# Altium PCB graviton.PcbDoc (part 8 of 15)
Units mm, origin at the board's own origin, x right, y up, seen from the top; angles counter-clockwise.
Board outline 200 x 200 mm, 10 copper layers (TOP, POLYGON1, S1, POLYGON2, POLYGON3, POLYGON4, POLYGON5, S2, POLYGON6, BOT), stack 1.751 mm thick; 1317 components, 712 nets, 5121 pads, 3994 vias.
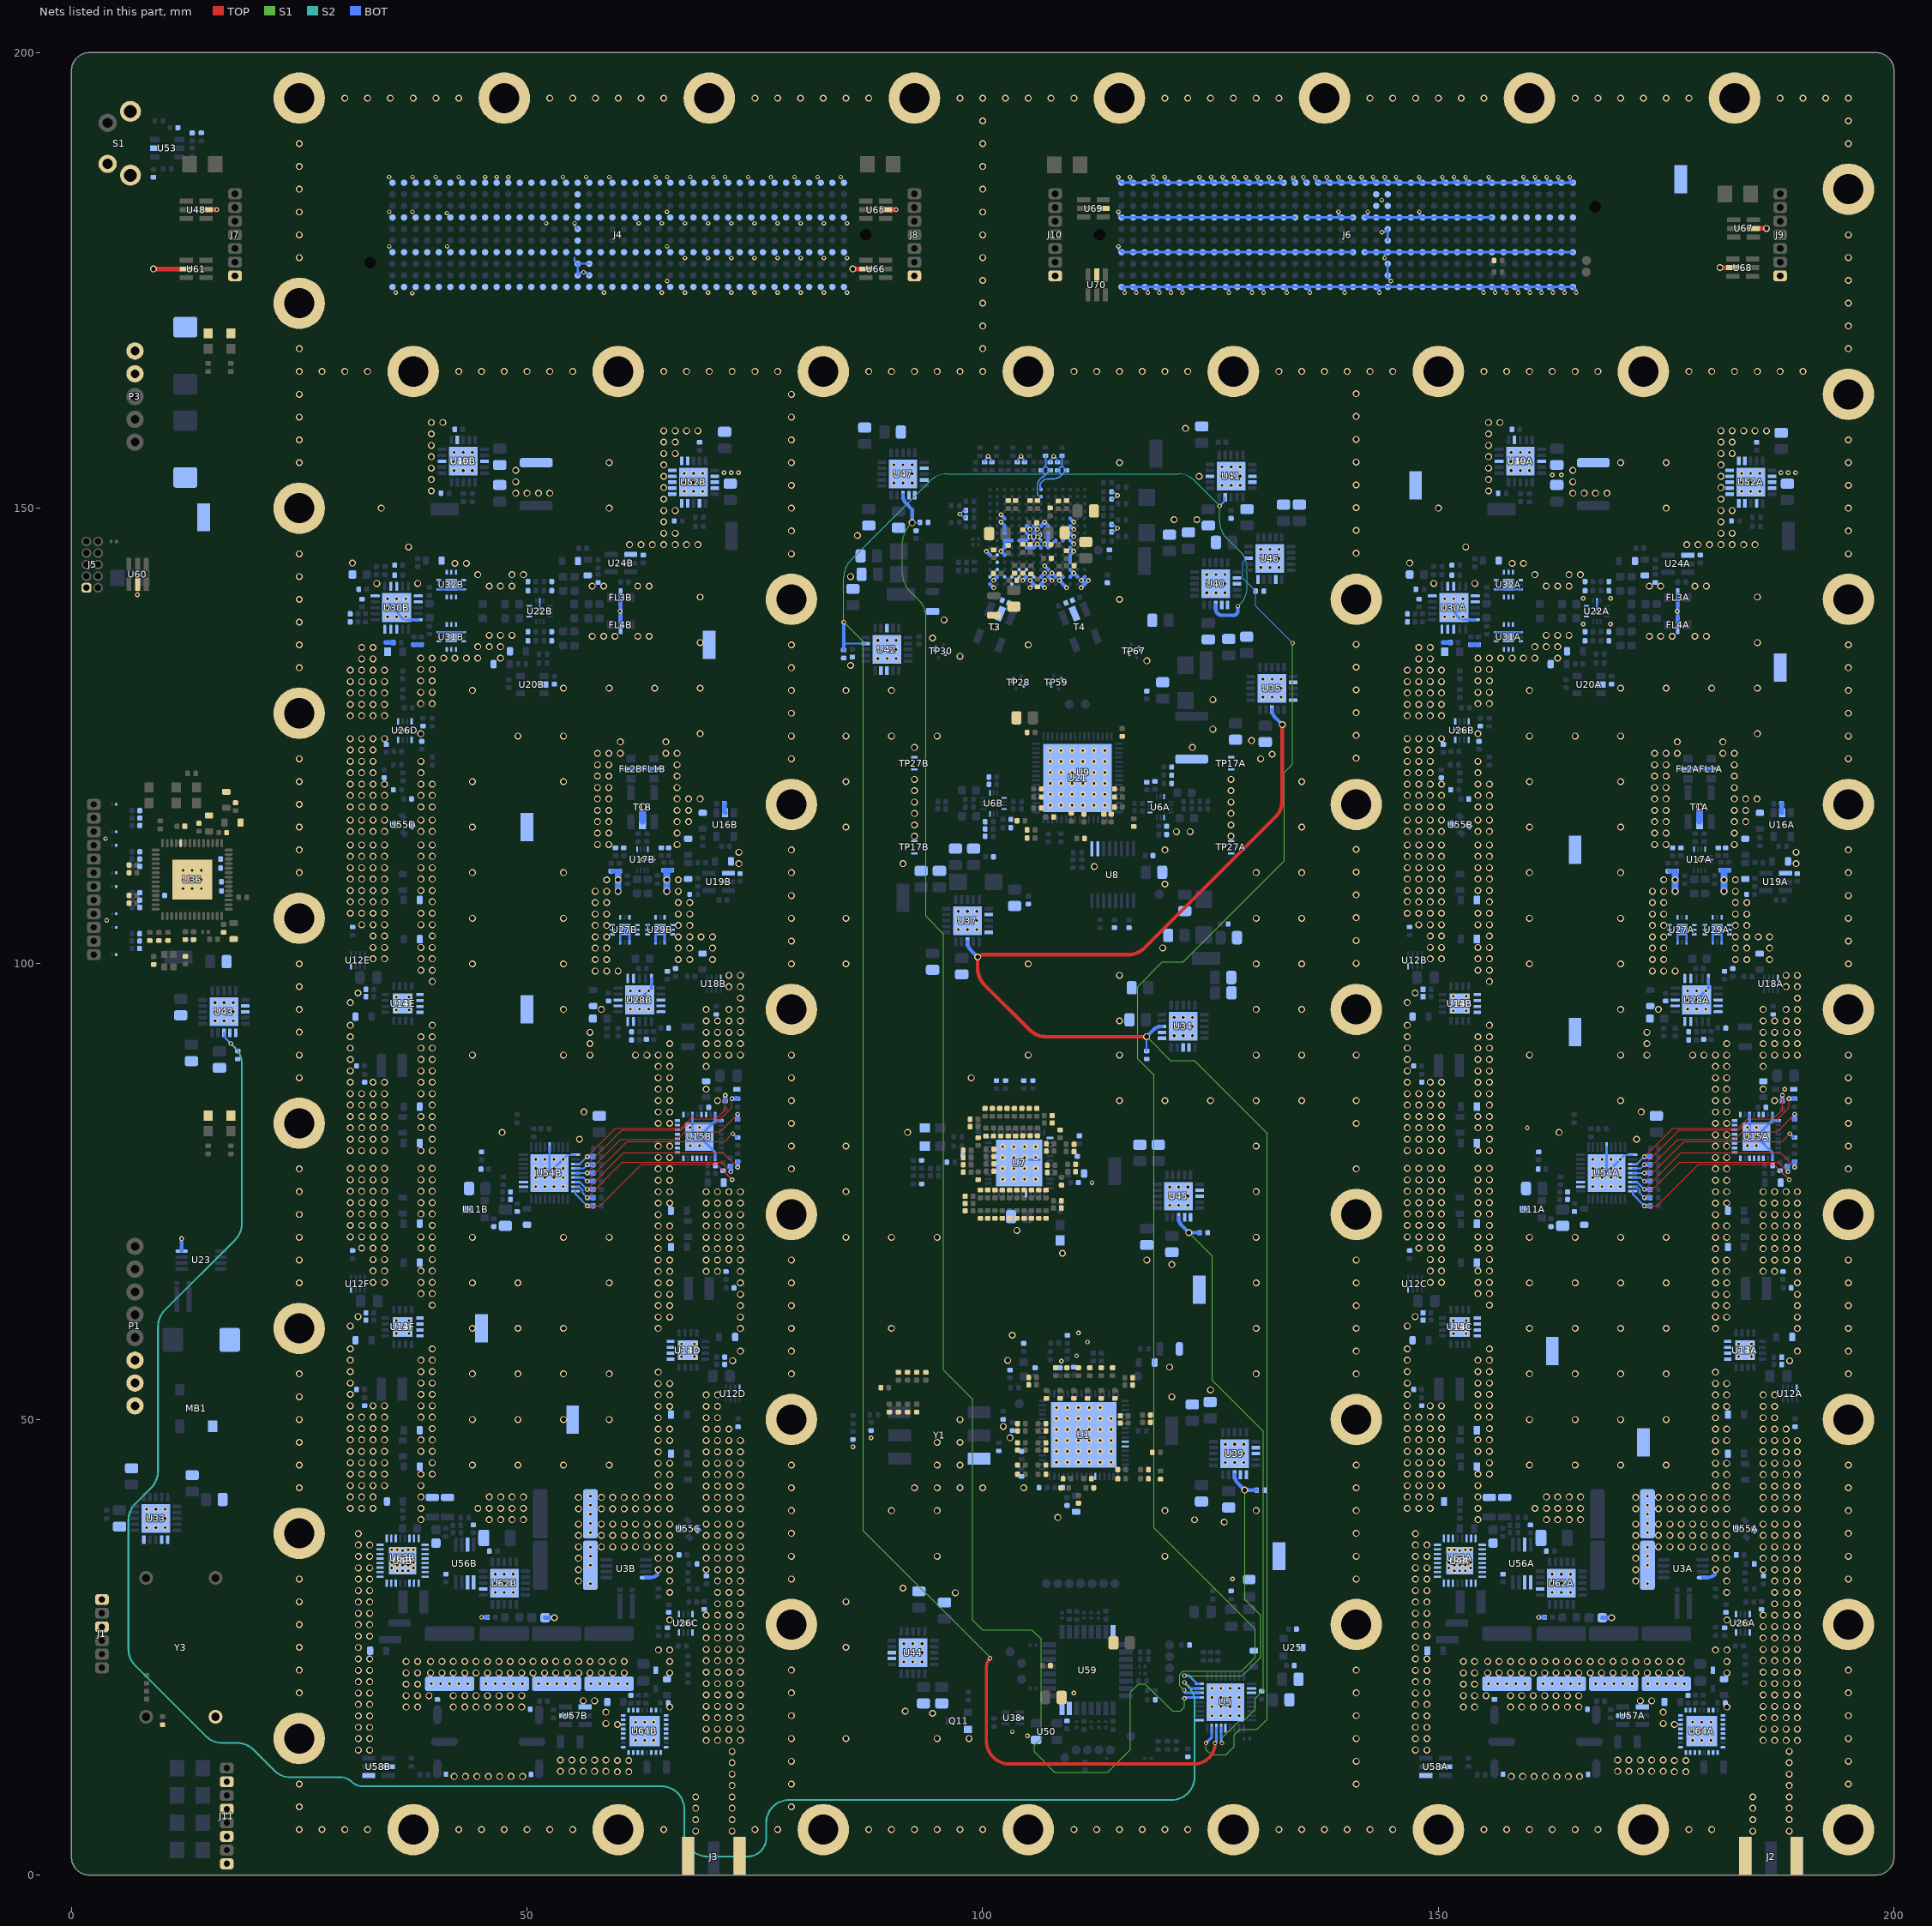
[diagram p16: the nets of this part, all layers, seen from the top]

## Via types
v1: diameter 0.75, hole 0.5, TOP to BOT, tented both sides, 2608 vias
v2: diameter 0.508, hole 0.254, TOP to BOT, tented both sides, 628 vias
v3: diameter 0.483, hole 0.254, TOP to BOT, tented both sides, 455 vias
v4: diameter 0.5, hole 0.3, TOP to BOT, tented both sides, 169 vias
v5: diameter 0.635, hole 0.254, TOP to BOT, tented both sides, 86 vias
v6: diameter 0.5, hole 0.254, TOP to BOT, tented both sides, 48 vias

## Nets (pads, with @x,y where several pads share a name; then routed paths per layer and width w, separated by ;. In a path a pad name is that pad's centre, name@x,y a point inside that pad or via, vN(x,y) a via of type N, cw(c..) or ccw(c..) an arc to the next point about the centre after c; other vN are vias at no path point) (continued)
DSA.D0A: R75A.2 R183A.2 U54A.27 | length 22.7
  TOP w0.098: v2(172.6,73.45) 174,73.45 178.568,78.018 186.787,78.018 v2(188.5,76.305)
  BOT w0.1: R75A.2@187.5,77.305 v2(188.5,76.305)
  BOT w0.2: U54A.27@171.32,75.05 171.32,74.73 v2(172.6,73.45)
  BOT w0.508: v2(172.6,73.45) R183A.2@173.255,73.45
DSA.D0B: R75B.2 R183B.2 U54B.27 | length 22.7
  TOP w0.098: v2(56.6,73.45) 58,73.45 62.568,78.018 70.787,78.018 v2(72.5,76.305)
  BOT w0.1: R75B.2@71.5,77.305 v2(72.5,76.305)
  BOT w0.2: U54B.27@55.32,75.05 55.32,74.73 v2(56.6,73.45)
  BOT w0.508: v2(56.6,73.45) R183B.2@57.255,73.45
DSA.D1A: R74A.2 R182A.2 U54A.26 | length 21
  TOP w0.098: v2(172.6,74.35) 176.467,78.217 187.313,78.217 v2(188.35,77.18)
  BOT w0.2: U54A.26@171.32,75.55 171.748,75.55 172.1,75.198 172.1,74.85 v2(172.6,74.35)
  BOT w0.508: v2(172.6,74.35) R182A.2@173.255,74.35
  BOT w0.51: v2(188.35,77.18) R74A.2@188.35,77.805
DSA.D1B: R74B.2 R182B.2 U54B.26 | length 21
  TOP w0.098: v2(56.6,74.35) 60.467,78.217 71.313,78.217 v2(72.35,77.18)
  BOT w0.2: U54B.26@55.32,75.55 55.748,75.55 56.1,75.198 56.1,74.85 v2(56.6,74.35)
  BOT w0.508: v2(56.6,74.35) R182B.2@57.255,74.35
  BOT w0.51: v2(72.35,77.18) R74B.2@72.35,77.805
DSA.D2A: R73A.2 R181A.2 U54A.25 | length 21.7
  TOP w0.098: v2(172.6,75.25) 176.618,79.268 187.512,79.268 v2(189.1,77.68)
  BOT w0.2: U54A.25@171.32,76.05 171.8,76.05 v2(172.6,75.25)
  BOT w0.508: v2(172.6,75.25) R181A.2@173.255,75.25
  BOT w0.51: v2(189.1,77.68) R73A.2@189.1,78.305
DSA.D2B: R73B.2 R181B.2 U54B.25 | length 21.7
  TOP w0.098: v2(56.6,75.25) 60.618,79.268 71.512,79.268 v2(73.1,77.68)
  BOT w0.2: U54B.25@55.32,76.05 55.8,76.05 v2(56.6,75.25)
  BOT w0.508: v2(56.6,75.25) R181B.2@57.255,75.25
  BOT w0.51: v2(73.1,77.68) R73B.2@73.1,78.305
DSA.D3A: R72A.2 R180A.2 U54A.24 | length 20.8
  TOP w0.098: v2(172.6,76.15) 176.968,80.518 187.713,80.518 v3(188.57,81.375)
  BOT w0.2: U54A.24@171.32,76.55 172.2,76.55 v2(172.6,76.15)
  BOT w0.3: v3(188.57,81.375) R72A.2@189,80.945
  BOT w0.508: v2(172.6,76.15) R180A.2@173.255,76.15
DSA.D3B: R72B.2 R180B.2 U54B.24 | length 20.8
  TOP w0.098: v2(56.6,76.15) 60.968,80.518 71.713,80.518 v3(72.57,81.375)
  BOT w0.2: U54B.24@55.32,76.55 56.2,76.55 v2(56.6,76.15)
  BOT w0.3: v3(72.57,81.375) R72B.2@73,80.945
  BOT w0.508: v2(56.6,76.15) R180B.2@57.255,76.15
DSA.D4A: R71A.2 R179A.2 U54A.23 | length 21.7
  TOP w0.098: v2(172.6,77.05) 176.267,80.717 182.5,80.717 183.383,81.6 187.2,81.6 v3(189.1,83.5)
  BOT w0.2: U54A.23@171.32,77.05 v2(172.6,77.05)
  BOT w0.508: v2(172.6,77.05) R179A.2@173.255,77.05
  BOT w0.51: R71A.2@189.1,82.945 v3(189.1,83.5)
DSA.D4B: R71B.2 R179B.2 U54B.23 | length 21.7
  TOP w0.098: v2(56.6,77.05) 60.267,80.717 66.5,80.717 67.383,81.6 71.2,81.6 v3(73.1,83.5)
  BOT w0.2: U54B.23@55.32,77.05 v2(56.6,77.05)
  BOT w0.508: v2(56.6,77.05) R179B.2@57.255,77.05
  BOT w0.51: R71B.2@73.1,82.945 v3(73.1,83.5)
DSA.D5A: R70A.2 R178A.2 U54A.22 | length 22.2
  TOP w0.098: v2(172.6,77.95) 176.418,81.768 182.968,81.768 183.653,82.453 186.703,82.453 188.475,84.225 v2(188.475,85.195)
  BOT w0.2: U54A.22@171.32,77.55 172.2,77.55 v2(172.6,77.95)
  BOT w0.508: v2(172.6,77.95) R178A.2@173.255,77.95
  BOT w0.51: v2(188.475,85.195) R70A.2@189.1,85.195
DSA.D5B: R70B.2 R178B.2 U54B.22 | length 22.2
  TOP w0.098: v2(56.6,77.95) 60.418,81.768 66.968,81.768 67.653,82.453 70.703,82.453 72.475,84.225 v2(72.475,85.195)
  BOT w0.2: U54B.22@55.32,77.55 56.2,77.55 v2(56.6,77.95)
  BOT w0.508: v2(56.6,77.95) R178B.2@57.255,77.95
  BOT w0.51: v2(72.475,85.195) R70B.2@73.1,85.195
DSA.D6A: R69A.2 R177A.2 U54A.21 | length 21.5
  TOP w0.098: v2(172.6,78.85) 175.717,81.967 182.886,81.967 183.919,83 186.75,83 187.75,84 v2(187.75,85.57)
  BOT w0.2: U54A.21@171.32,78.05 171.8,78.05 172.4,78.65
  BOT w0.508: v2(172.6,78.85) R177A.2@173.255,78.85
  BOT w0.51: R69A.2@187.75,84.945 v2(187.75,85.57)
DSA.D6B: R69B.2 R177B.2 U54B.21 | length 21.5
  TOP w0.098: v2(56.6,78.85) 59.717,81.967 66.886,81.967 67.919,83 70.75,83 71.75,84 v2(71.75,85.57)
  BOT w0.2: U54B.21@55.32,78.05 55.8,78.05 56.4,78.65
  BOT w0.508: v2(56.6,78.85) R177B.2@57.255,78.85
  BOT w0.51: R69B.2@71.75,84.945 v2(71.75,85.57)
EN-1V8_2: R141.1 U5.25 U46.13 | length 149.9
  S1 w0.1: v3(122.1,20.3) 121.6,20.8 121.6,22 122,22.4 128.4,22.4 129.9,23.9 129.9,27 118.8,38.1 118.8,87.8 117,89.6 117,97.5 119.7,100.2 122,100.2 133.1,111.3 133.1,121 134,121.9 v3(134,135.2)
  BOT w0.1: U46.13@129.175,144.5 128.9,144.5 128.525,144.125 128.525,142.33 R141.1@129.955,140.9 129.955,139.245 v3(134,135.2)
  BOT w0.28: v3(122.1,20.3) 122.1,20.18 122.28,20 U5.25@123.78,20
EN-2V5_2: R142.1 U5.24 U47.13 | length 178.1
  S1 w0.1: v1(92.25,148.4) 91.944,148.094 ccw(c93.74,146.298) 91.2,146.298 91.2,142.752 ccw(c93.74,142.752) 91.944,140.956 93.078,139.822 cw(c91.457,138.2) 93.75,138.2 93.75,105.225 95.7,103.275 95.7,55.4 98.875,52.225 98.875,28 99.975,26.9 105.4,26.9 106.399,25.901 106.399,14.982 105.65,14.233 105.65,13.55 107.897,11.302 113.702,11.302 116.2,13.8 116.2,20.1 117.1,21 117.8,21 120.8,18 121.7,18 122.14,18.44 v3(122.14,19.39)
  BOT w0.1: v1@92.3,148.45 R142.1@93.105,148.45
  BOT w0.159: v1(92.25,148.4) 92.25,148.806
  BOT w0.28: v3(122.14,19.39) 122.25,19.5 U5.24@123.78,19.5
  BOT w0.4: U47.13@91.257,151.441 91.257,151.38 ccw(c92.501,151.38) 91.622,150.501 92.25,149.872 92.25,148.806
EN-ADC_2: R59.1 U5.17 U34.13 U35.13 U37.13 | length 174.2
  TOP w0.4: v1(117.985,92.011) 106.941,92.011 cw(c106.941,94.551) 105.145,92.755 100.19,97.71 cw(c101.987,99.506) 99.447,99.506 v1(99.447,100.751) cw(c100.048,100.149) 100.048,101 115.948,101 ccw(c115.948,103.54) 117.744,101.744 132.128,116.128 ccw(c130.332,117.924) 132.872,117.924 v1(132.872,126.251)
  S1 w0.1: v1(117.985,92.011) 120.596,89.4 123.2,89.4 131.2,81.4 131.2,17.1 130.1,16 128.2,16 127.6,15.4 127.6,14.1 126.7,13.2 125.1,13.2 124.5,13.8 v3(124.5,14.5)
  BOT w0.2: R59.1@117.985,90.445 v1(117.985,92.011)
  BOT w0.28: v3(124.5,14.5) 125.14,15.14 U5.17@125.14,16.14
  BOT w0.4: U37.13@98.332,102.441 98.332,102.38 ccw(c99.576,102.38) 98.697,101.501 v1(99.447,100.751) ; v1(117.985,92.011) 118.735,92.761 cw(c119.614,91.882) 119.614,93.125 U34.13@119.675,93.125 ; U35.13@131.757,127.941 131.757,127.88 ccw(c133.001,127.88) 132.122,127.001 v1(132.872,126.251)
EN-CLK_2: R60.1 U5.27 U39.13 | length 33.7
  S1 w0.1: v3(122.14,21.89) 128.49,21.89 130.5,23.9 130.5,28.5 128.75,30.25 v1(128.75,42.25)
  BOT w0.28: v3(122.14,21.89) 122.64,21.89 123.53,21 U5.27@123.78,21
  BOT w0.4: U39.13@127.636,43.94 127.636,43.879 ccw(c128.879,43.879) 128,43 v1(128.75,42.25) R60.1@130.055,42.25
EN-DAC_2: R62.1 U5.16 U40.13 U41.14 U42.14 | length 234.6
  TOP w0.356: v3(100.8,23.8) ccw(c101.766,22.834) 100.4,22.834 100.4,14.74 ccw(c102.94,14.74) 102.94,12.2 123.2,12.2 ccw(c123.2,14.5) v3(125.5,14.5)
  S1 w0.1: v2(84.75,137.5) 86.9,135.35 86.9,37.8 100.8,23.9 v3(100.8,23.8)
  S2 w0.1: v2(84.75,137.5) 84.75,142.448 cw(c87.29,142.448) 85.494,144.244 94.256,153.006 cw(c96.052,151.21) 96.052,153.75 121.448,153.75 cw(c121.448,151.21) 123.244,153.006 v3(126,150.25) 126,148.552 ccw(c128.54,148.552) 126.744,146.756 128.293,145.207 cw(c126.586,143.5) 129,143.5 129,141.302 cw(c126.46,141.302) 128.256,139.506 v3(128,139.25)
  BOT w0.2: 84.843,135.157 U42.14@87.159,135.157 ; v3(126,150.25) 126.37,150.62 ccw(c125.815,151.175) U41.14@126.6,151.175
  BOT w0.28: v3(125.5,14.5) 125.64,14.64 U5.16@125.64,16.14
  BOT w0.356: R62.1@84.75,134.445 v2(84.75,137.5)
  BOT w0.4: U40.13@125.575,139.375 125.575,138.925 ccw(c126.25,138.925) 125.67,138.58 ccw(c126.25,138.925) 125.905,138.345 ccw(c126.25,138.925) 126.25,138.25 127.5,138.25 ccw(c127.5,138.75) 128,138.75 v3(128,139.25)
EN-ETH_2: R63.1 U5.26 U43.13 | length 221.2
  S2 w0.2: v3(17.5,91.25) 17.956,90.794 cw(c16.16,88.998) 18.7,88.998 18.7,71.502 cw(c16.16,71.502) 17.956,69.706 10.244,61.994 ccw(c12.04,60.198) 9.5,60.198 9.5,44.302 cw(c6.96,44.302) 8.756,42.506 6.994,40.744 ccw(c8.79,38.948) 6.25,38.948 6.25,24.802 ccw(c8.79,24.802) 6.994,23.006 14.756,15.244 ccw(c16.552,17.04) 16.552,14.5 18.198,14.5 cw(c18.198,11.96) 19.994,13.756 22.256,11.494 ccw(c24.052,13.29) 24.052,10.75 29.543,10.75 cw(c29.543,9.043) 30.75,10.25 ccw(c31.957,11.457) 31.957,9.75 64.75,9.75 cw(c64.75,7.25) 67.25,7.25 67.25,4.59 ccw(c69.79,4.59) 69.79,2.05 74.2,2.05 ccw(c74.2,4.1) 76.25,4.1 76.25,5.75 cw(c78.75,5.75) 78.75,8.25 120.71,8.25 ccw(c120.71,10.79) 123.25,10.79 123.25,18.978 ccw(c120.71,18.978) 122.506,20.774 v3(122.14,21.14)
  BOT w0.2: U43.13@16.743,92.409 ccw(c17.713,92.409) 17.027,91.723 v3(17.5,91.25) R63.1@18.277,90.473
  BOT w0.28: v3(122.14,21.14) 122.78,20.5 U5.26@123.78,20.5
EN-SYNTH_2: R66.1 U5.15 U45.13 | length 66.5
  S1 w0.1: v1(122.622,70.501) 125.2,67.922 125.2,54.3 130.8,48.7 130.8,20.3 129.9,19.4 129.9,18.2 128.6,16.9 128.1,16.9 126.25,15.05 v3(126.25,14.5)
  BOT w0.28: U5.15@126.14,16.14 126.14,14.61 v3(126.25,14.5)
  BOT w0.4: U45.13@121.507,72.191 121.507,72.13 ccw(c122.751,72.13) 121.872,71.251 v1(122.622,70.501) R66.1@123.805,70.501
FRAME_T_27_N: R228.1 R229.1 R230.2 U2.H1 | length 7.3
  BOT w0.178: U2.H1@106.4,152.07 cw(c106.4,152.17) 106.3,152.17 106.3,152.617 cw(c106.5,152.617) 106.358,152.758 106.6,153 cw(c107.083,152.517) 107.083,153.2 107.602,153.2 ccw(c107.602,154.753) 108.7,153.655 ; R228.1@108.7,155.755 108.7,154.655 ; 108.7,153.655 R229.1@108.2,154.155 108.7,154.655 ; 108.7,153.655 R230.2@109.2,154.155 108.7,154.655
FRAME_T_27_P: R225.1 R226.1 R227.2 U2.H2 | length 6.9
  BOT w0.159: 106.271,153.171 ccw(c106.924,152.517) 106,152.517 106,151.67 ccw(c106.4,151.67) U2.H2@106.4,151.27
  BOT w0.178: 106.271,153.171 106.5,153.4 ccw(c106.5,153.75) 106.748,153.503 106.9,153.655 ; R225.1@106.9,155.755 106.9,154.655 ; 106.9,153.655 R227.2@106.4,154.155 106.9,154.655 ; 106.9,153.655 R226.1@107.4,154.155 106.9,154.655
GND: C1.1 C2.1 C3.1 C4.1 C5.1 C6.1 C7.1 C8.1 C9.1 C10.1 C11.1 C12.1 C13.1 C14.1 C15A.1 C15B.1 C16.2 C17.2 C18.2 C19.2 C20.1 C21.1 C22.1 C23.1 C24.2 C25.2 C26.1 C27.1 C28.1 C29.1 C31A.1 C31B.1 C32.1 C33.1 C34.1 C35.1 C36.1 C37.2 C38.2 C39.1 C40.1 C41.1 C42.1 C43.2 C44.2 C45.2 C46.2 C47.1 C48.1 C49.1 C50.1 C51.2 C52.2 C54.1 C55.1 C56.1 C57.1 C58.1 C61.1 C62.1 C63.1 C64.1 C67.1 C68.1 C69.1 C70.1 C73.1 C74.1 C75.1 C76.1 C79.1 C80.1 C81.2 C82.2 C83.2 C84.2 C85.2 C90A.1 C90B.1 C91A.1 C91B.1 C92A.1 C92B.1 C93A.1 C93B.1 C94.2 C95.2 C96.1 C97.1 C99A.1 C99B.1 C100A.1 C100B.1 C101A.1 C101B.1 C102.1 C103A.1 C103B.1 C104A.1 C104B.1 C105A.1 C105B.1 C106A.1 C106B.1 C110A.1 C110B.1 C111A.1 C111B.1 C112A.1 C112B.1 C113A.1 C113B.1 C114A.1 C114B.1 C115.2 C116A.1 C116B.1 C117A.1 C117B.1 C121.1 C122.1 C123.1 C124.1 C126.1 C127.1 C128.1 C129.1 C130.1 C131.1 C132.1 C133.1 C134.1 C135.1 C136.1 C137.1 C138.1 C139.1 C140.1 C141.1 C142.1 C143.1 C144.1 C145.1 C146.1 C147.1 C148.1 C149.1 C150.1 C151.1 C152.1 C153.1 C154.1 C155.1 C156.1 C157.1 C158.1 C159.1 C160.1 C161.1 C162.1 C163.1 C164.1 C165.1 C166.1 C167.1 C168.1 C169.1 C170.1 C171.1 C172.1 C173.1 C174.1 C175.1 C176.1 C177.1 C178.1 C179.1 C180.1 C181.1 C182.1 C183.1 C184.1 C185.1 C186.1 C187.1 C188.1 C189.1 C190.1 C191A.1 C191B.1 C192A.1 C192B.1 C193.2 C198A.1 C198B.1 C202A.1 C202B.1 C204.1 C205.1 C206A.1 C206B.1 C207A.1 C207B.1 C210A.1 C210B.1 C210C.1 C210D.1 C210E.1 C210F.1 C211A.1 C211B.1 C211C.1 C211D.1 C211E.1 C211F.1 C212A.2 C212B.2 C213A.2 C213B.2 C214.1 C215.2 C216.2 C217.2 C218.2 C219.2 C220.2 C221.2 C222.2 C223.2 C224.2 C225.2 C226.2 C227.2 C228.2 C229.2 C230.2 C231.2 C232.2 C233.2 C234.2 C235.2 C236.2 C237.2 C238.2 C239.2 C240.2 C241.2 C242.2 C243.2 C244A.2 C244B.2 C245A.2 C245B.2 C253A.1 C253B.1 C253C.1 C253D.1 C253E.1 C253F.1 C254A.1 C254B.1 C254C.1 C254D.1 C254E.1 C254F.1 C255A.1 C255B.1 C255C.1 C255D.1 C255E.1 C255F.1 C258A.1 C258B.1 C258C.1 C258D.1 C258E.1 C258F.1 C259A.1 C259B.1 C259C.1 C259D.1 C259E.1 C259F.1 C260A.1 C260B.1 C260C.1 C260D.1 C260E.1 C260F.1 C261A.1 C261B.1 C261C.1 C261D.1 C261E.1 C261F.1 C262.2 C263.2 C264.2 C265.2 C266.2 C267.2 C268.2 C269.2 C270.2 C271.2 C272.2 C273.2 C274.2 C275.2 C276.2 C277.2 C278.2 C279.2 C280.2 C281.2 C282.2 C283.2 C284.2 C285.2 C286.2 C287.2 C288.1 C289.1 C290.1 C291.1 C292.1 C293A.1 C293B.1 C294A.1 C294B.1 C295A.1 C295B.1 C296A.1 C296B.1 C321A.1 C321B.1 C322A.1 C322B.1 C323A.1 C323B.1 C324A.1 C324B.1 C325A.1 C325B.1 C326A.1 C326B.1 C327A.1 C327B.1 C329A.1 C329B.1 C330A.1 C330B.1 C331A.1 C331B.1 C332A.1 C332B.1 C333A.1 C333B.1 C336A.1 C336B.1 C337A.1 C337B.1 C348A.2 C348B.2 C348C.2 C348D.2 C349A.2 C349B.2 C349C.2 C349D.2 C352A.2 C352B.2 C352C.2 C352D.2 C353A.2 C353B.2 C353C.2 C353D.2 C354A.2 C354B.2 C354C.2 C354D.2 C355A.1 C355B.1 C358A.1 C358B.1 C359A.1 C359B.1 C360A.1 C360B.1 C361A.1 C361B.1 C362A.1 C362B.1 C363A.1 C363B.1 C365A.2 C365B.2 C368A.1 C368B.1 C369A.1 C369B.1 C370A.1 C370B.1 C371A.1 C371B.1 C372A.1 C372B.1 C373A.1 C373B.1 C374A.1 C374B.1 C376A.2 C376B.2 C377A.1 C377B.1 C380.2 C381.2 C382.1 C383.2 C384.1 C388.1 C389.2 C390.1 C391.1 C392.1 C393.2 C394.1 C395.1 C396.1 C397.2 C398.1 C399.1 C404.1 C405.2 C406.1 C407.1 C408.1 C409.2 C410.1 C411.1 C413.1 C414.2 C415.1 C417.1 C418.2 C419.1 C420.1 C421.2 C422.1 C423.1 C424.1 C425.2 C426.1 C427.1 C428.1 C429.2 C430.1 C431.1 C432.1 C433.2 C434.1 C435.1 C436.1 C437.2 C438.1 C439.1 C455A.1 C455B.1 C456A.2 C456B.2 C457A.1 C457B.1 C458A.1 C458B.1 C463A.2 C463B.2 C465A.1 C465B.1 C466A.1 C466B.1 C467.2 C468.1 C469.2 C471A.2 C471B.2 C472A.2 C472B.2 C473A.1 C473B.1 C474A.2 C474B.2 C475A.2 C475B.2 C476A.2 C476B.2 C477A.2 C477B.2 C478A.2 C478B.2 C482.2 C483.2 C484.2 C486.2 C487.2 C488.2 C490.1 C494A.1 C494B.1 C496A.1 C496B.1 C497A.1 C497B.1 C498A.1 C498B.1 C499A.1 C499B.1 C500A.1 C500B.1 C502A.1 C502B.1 C503A.1 C503B.1 C505A.1 C505B.1 C506A.1 C506B.1 C522.1 C523.1 C525.1 C529.1 C530.1 C532.1 C533.1 C534.1 C535.1 C536.1 C537.1 C538.1 C539.1 C540.1 C541.1 C542.1 C543.1 C544.1 C545.1 C546.1 C547.1 C548.1 C549.1 C550.1 C551.1 C552.1 C553.1 C554.1 C555.1 C556.1 C612.1 C613.1 C614.1 C618.1 C619.1 C620.1 D1.2 D2.2 D3.2 D7A.1 D7B.1 D15A.2 D15B.2 D16A.2 D16B.2 D17.2 D18.2 D19.2 D20.2 D21.2 D22.2 D23.2 D24.2 D26A.1 D26B.1 FL1A.2 FL1B.2 FL2A.2 FL2B.2 FL3A.2 FL3B.2 FL4A.2 FL4B.2 J1.4 J1.6 J2.2 J2.3 J2.4 J2.5 J3.2 J3.3 J3.4 J3.5 J4.1 J4.4 J4.7 J4.10 J4.11 J4.14 J4.17 J4.20 J4.21 J4.24 J4.27 J4.30 J4.31 J4.34 J4.37 J4.40 J4.41 J4.44 J4.47 J4.50 J4.51 J4.54 J4.57 J4.60 J4.61 J4.64 J4.67 J4.70 J4.71 J4.74 J4.77 J4.80 J4.81 J4.84 J4.87 J4.90 J4.91 J4.94 J4.97 J4.100 J4.101 J4.104 J4.107 J4.110 J4.111 J4.114 J4.117 J4.120 J4.121 J4.124 J4.127 J4.130 J4.131 J4.134 J4.137 J4.140 J4.141 J4.144 J4.147 J4.150 J4.151 J4.154 J4.157 J4.160 J4.161 J4.162 J4.163 J4.164 J4.165 J4.166 J4.167 J4.168 J4.169 J4.170 J4.171 J4.172 J4.173 J4.174 J4.177 J4.180 J4.181 J4.184 J4.187 J4.190 J4.191 J4.194 J4.197 J4.200 J4.201 J4.204 J4.207 J4.210 J4.211 J4.214 J4.217 J4.220 J4.221 J4.224 J4.227 J4.230 J4.231 J4.234 J4.237 J4.240 J4.241 J4.244 J4.247 J4.250 J4.251 J4.254 J4.257 J4.260 J4.261 J4.264 J4.267 J4.270 J4.271 J4.274 J4.277 J4.280 J4.281 J4.284 J4.287 J4.290 J4.291 J4.294 J4.297 J4.300 J4.301 J4.304 J4.307 J4.310 J4.311 J4.314 J4.317 J4.320 J4.321 J4.324 J4.327 J4.330 J4.331 J4.334 J4.337 J4.340 J4.341 J4.344 J4.347 J4.350 J4.351 J4.354 J4.357 J4.360 J4.361 J4.364 J4.367 J4.370 J4.371 J4.374 J4.377 J4.380 J4.381 J4.384 J4.387 J4.390 J4.391 J4.394 J4.397 J4.400 J5.1 J6.1 J6.4 J6.7 J6.10 J6.11 J6.14 J6.17 J6.20 J6.21 J6.24 J6.27 J6.30 J6.31 J6.34 J6.37 J6.40 J6.41 J6.44 J6.47 J6.50 J6.51 J6.54 J6.57 J6.60 J6.61 J6.64 J6.67 J6.70 J6.71 J6.74 J6.77 J6.80 J6.81 J6.84 J6.87 J6.90 J6.91 J6.94 J6.97 J6.100 J6.101 J6.104 J6.107 J6.110 J6.111 J6.114 J6.117 J6.120 J6.121 J6.124 J6.127 J6.130 J6.131 J6.134 J6.137 J6.140 J6.141 J6.144 J6.147 J6.150 J6.151 J6.154 J6.157 J6.160 J6.161 J6.162 J6.163 J6.164 J6.165 J6.166 J6.167 J6.168 J6.169 J6.170 J6.171 J6.172 J6.173 J6.174 J6.177 J6.180 J6.181 J6.184 J6.187 J6.190 J6.191 J6.194 J6.197 J6.200 J6.201 J6.204 J6.207 J6.210 J6.211 J6.214 J6.217 J6.220 J6.221 J6.224 J6.227 J6.230 J6.231 J6.234 J6.237 J6.240 J6.241 J6.244 J6.247 J6.250 J6.251 J6.254 J6.257 J6.260 J6.261 J6.264 J6.267 J6.270 J6.271 J6.274 J6.277 J6.280 J6.281 J6.284 J6.287 J6.290 J6.291 J6.294 J6.297 J6.300 J6.301 J6.304 J6.307 J6.310 J6.311 J6.314 J6.317 J6.320 J6.321 J6.324 J6.327 J6.330 J6.331 J6.334 J6.337 J6.340 J6.341 J6.344 J6.347 J6.350 J6.351 J6.354 J6.357 J6.360 J6.361 J6.364 J6.367 J6.370 J6.371 J6.374 J6.377 J6.380 J6.381 J6.384 J6.387 J6.390 J6.391 J6.394 J6.397 J6.400 J7.7 J8.7 J9.7 J10.7 J11.2 J11.4 J11.6 J11.8 L32A.1 L32B.1 M2.1 M5.1 M6.1 M7.1 M8.1 M9.1 M10.1 M11.1 M12.1 M13.1 M14.1 M15.1 M16.1 M17.1 M18.1 M19.1 M20.1 M22.1 M23.1 M24.1 M25.1 M26.1 M27.1 M28.1 M29.1 M30.1 M31.1 M32.1 M38.1 M39.1 M40.1 M41.1 M42.1 M43.1 M44.1 M45.1 M46.1 M47.1 M48.1 M49.1 M50.1 M51.1 M52.1 M53.1 M54.1 M55.1 M56.1 M57.1 M58.1 M59.1 M60.1 MB1.3 P1.1 P1.2 P1.3 P3.4 P3.5 Q11.2 R2.1 R3.2 R4.2 R5.1 R6.1 R7.1 R10.2 R11.1 R12.1 R27.1 R33.1 R34.1 R39A.1 R39B.1 R41A.1 R41B.1 R42.2 R43.2 R45A.1 R45B.1 R46A.1 R46B.1 R53.1 R54.1 R55.1 R56.1 R57.2 R59.2 R60.2 R62.2 R63.2 R64A.1 R64B.1 R64C.1 R64D.1 R64E.1 R64F.1 R66.2 R82.1 R83.1 R88.2 R89.1 R107.1 R120A.1 R120B.1 R126A.1 R126B.1 R126C.1 R126D.1 R134A.2 R134B.2 R140.2 R141.2 R142.2 R153A.1 R153B.1 R157.1 R158.1 R159.1 R170A.1 R170B.1 R174.1 R191A.1 R191B.1 R192A.1 R192B.1 R193A.1 R193B.1 R194A.1 R194B.1 R200.1 R202.2 R205.2 R208.2 R211.2 R214.2 R217.2 R220.2 R223.2 R226.2 R229.2 R232.2 R235.2 R243.1 R244.1 R245.1 R254A.2 R254B.2 R255A.1 R255B.1 S1.1 S1.3 T1A.2 T1B.2 T3.2 T4.2 TP5.1 TP6.1 TP7.1 TP8.1 TP9.1 TP10.1 TP11.1 TP12.1 TP13.1 TP14.1 TP17A.G TP17B.G TP27A.G TP27B.G TP28.G TP30.G TP54.1 TP55.1 TP56.1 TP57.1 TP58.1 TP59.G TP67.G U1.6 U1.58 U1.59 U1.65 U2.A10 U2.A13 U2.A14 U2.B10 U2.B11 U2.B12 U2.B13 U2.C5 U2.C6 U2.C7 U2.C8 U2.C9 U2.C10 U2.C13 U2.D8 U2.D13 U2.D14 U2.E8 U2.E12 U2.E13 U2.F6 U2.F7 U2.F8 U2.F9 U2.F12 U2.F13 U2.G6 U2.G7 U2.G8 U2.G9 U2.G13 U2.G14 U2.H6 U2.H7 U2.H8 U2.H9 U2.H13 U2.H14 U2.J6 U2.J7 U2.J8 U2.J9 U2.J12 U2.J13 U2.K8 U2.K13 U2.L8 U2.L13 U2.L14 U2.M5 U2.M6 U2.M7 U2.M8 U2.M9 U2.M10 U2.M11 U2.M12 U2.M13 U2.N13 U2.P13 U2.P14 U3A.4 U3B.4 U4A.1 U4A.2 U4A.3 U4A.6 U4A.7 U4A.8 U4A.9 U4A.10 U4A.11 U4A.12 U4A.13 U4A.14 U4A.15 U4A.16 U4A.17 U4A.18 U4A.19 U4A.22 U4A.23 U4A.24 U4A.25 U4A.26 U4A.27 U4A.28 U4A.29 U4A.30 U4A.31 U4A.32 U4A.33 U4B.1 U4B.2 U4B.3 U4B.6 U4B.7 U4B.8 U4B.9 U4B.10 U4B.11 U4B.12 U4B.13 U4B.14 U4B.15 U4B.16 U4B.17 U4B.18 U4B.19 U4B.22 U4B.23 U4B.24 U4B.25 U4B.26 U4B.27 U4B.28 U4B.29 U4B.30 U4B.31 U4B.32 U4B.33 U5.2 U5.3 U5.14 U5.19 U5.37 U6A.3 U6A.8 U6A.11 U6A.14 U6B.3 U6B.8 U6B.11 U6B.14 U7.1 U7.17 U7.49 U8.9 U8.10 U9.A1 U9.A2 U10A.A1 U10A.A2 U10B.A1 U10B.A2 U11A.3 U11B.3 U12A.8 U12B.8 U12C.8 U12D.8 U12E.8 U12F.8 U13A.5 U13A.6 U13A.7 U13A.8 U13A.17 U13B.5 U13B.6 U13B.7 U13B.8 U13B.17 U13C.5 U13C.6 U13C.7 U13C.8 U13C.17 U13D.5 U13D.6 U13D.7 U13D.8 U13D.17 U13E.5 U13E.6 U13E.7 U13E.8 U13E.17 U13F.5 U13F.6 U13F.7 U13F.8 U13F.17 U14A.A1 U14A.A2 U14B.A1 U14B.A2 U14C.A1 U14C.A2 U14D.A1 U14D.A2 U14E.A1 U14E.A2 U14F.A1 U14F.A2 U15A.1 U15A.3 U15A.4 U15A.5 U15A.6 U15A.8 U15A.9 U15A.10 U15A.11 U15A.12 U15A.13 U15A.14 U15A.15 U15A.16 U15A.17 U15A.19 U15A.21 U15A.22 U15A.24 U15A.25 U15A.33 U15B.1 U15B.3 U15B.4 U15B.5 U15B.6 U15B.8 U15B.9 U15B.10 U15B.11 U15B.12 U15B.13 U15B.14 U15B.15 U15B.16 U15B.17 U15B.19 U15B.21 U15B.22 U15B.24 U15B.25 U15B.33 U16A.2 U16B.2 U17A.2 U17A.11 U17A.14 U17B.2 U17B.11 U17B.14 U18A.8 U18B.8 U19A.1 U19B.1 U20A.2 U20B.2 U21.65 U22A.2 U22A.11 U22A.14 U22B.2 U22B.11 U22B.14 U23.4 U24A.1 U24B.1 U25.3 U26A.1 U26A.4 U26A.5 U26A.8 U26A.9 U26B.1 U26B.4 U26B.5 U26B.8 U26B.9 U26C.1 U26C.4 U26C.5 U26C.8 U26C.9 U26D.1 U26D.4 U26D.5 U26D.8 U26D.9 U27A.1 U27A.3 U27A.4 U27A.5 U27A.6 U27A.7 U27A.9 U27A.10 U27A.11 U27A.12 U27A.13 U27B.1 U27B.3 U27B.4 U27B.5 U27B.6 U27B.7 U27B.9 U27B.10 U27B.11 U27B.12 U27B.13 U28A.3 U28A.4 U28A.5 U28A.9 U28A.10 U28A.12 U28A.13 U28A.16 U28A.17 U28A.20 U28A.21 U28B.3 U28B.4 U28B.5 U28B.9 U28B.10 U28B.12 U28B.13 U28B.16 U28B.17 U28B.20 U28B.21 U29A.1 U29A.3 U29A.4 U29A.5 U29A.6 U29A.7 U29A.9 U29A.10 U29A.11 U29A.12 U29A.13 U29B.1 U29B.3 U29B.4 U29B.5 U29B.6 U29B.7 U29B.9 U29B.10 U29B.11 U29B.12 U29B.13 U30A.3 U30A.4 U30A.5 U30A.10 U30A.12 U30A.13 U30A.16 U30A.17 U30A.20 U30A.21 U30B.3 U30B.4 U30B.5 U30B.10 U30B.12 U30B.13 U30B.16 U30B.17 U30B.20 U30B.21 U31A.1 U31A.3 U31A.4 U31A.5 U31A.6 U31A.7 U31A.9 U31A.10 U31A.11 U31A.12 U31A.13 U31B.1 U31B.3 U31B.4 U31B.5 U31B.6 U31B.7 U31B.9 U31B.10 U31B.11 U31B.12 U31B.13 U32A.1 U32A.3 U32A.4 U32A.5 U32A.6 U32A.7 U32A.9 U32A.10 U32A.11 U32A.12 U32A.13 U32B.1 U32B.3 U32B.4 U32B.5 U32B.6 U32B.7 U32B.9 U32B.10 U32B.11 U32B.12 U32B.13 U33.6 U33.7 U33.10 U33.21 U34.7 U34.8 U34.11 U34.12 U34.21 U35.7 U35.10 U35.21 U36.10 U36.57 U37.7 U37.10 U37.21 U38.2 U39.7 U39.8 U39.11 U39.12 U39.21 U40.7 U40.8 U40.11 U40.12 U40.21 U41.8 U41.9 U41.18 U41.21 U42.8 U42.9 U42.18 U42.21 U43.7 U43.8 U43.11 U43.12 U43.21 U44.7 U44.8 U44.21 U45.7 U45.8 U45.11 U45.12 U45.21 U46.7 U46.10 U46.21 U47.7 U47.9 U47.11 U47.12 U47.21 U48.2 U49A.8 U49A.12 U49A.18 U49A.21 U49B.8 U49B.12 U49B.18 U49B.21 U50.2 U52A.2 U52A.4 U52A.5 U52A.6 U52A.7 U52A.8 U52A.9 U52A.10 U52A.11 U52A.12 U52A.17 U52A.18 U52A.19 U52A.21 U52B.2 U52B.4 U52B.5 U52B.6 U52B.7 U52B.8 U52B.9 U52B.10 U52B.11 U52B.12 U52B.17 U52B.18 U52B.19 U52B.21 U53.2 U54A.2 U54A.3 U54A.14 U54A.19 U54A.37 U54B.2 U54B.3 U54B.14 U54B.19 U54B.37 U55A.2 U55A.4 U55B.2 U55B.4 U55C.2 U55C.4 U55D.2 U55D.4 U56A.3 U56A.5 U56A.6 U56B.3 U56B.5 U56B.6 U57A.2 U57A.4 U57B.2 U57B.4 U58A.2 U58A.4 U58B.2 U58B.4 U59.16 U59.31 U59.32 U60.2 U61.2 U62A.7 U62A.21 U62B.7 U62B.21 U63A.A1 U63A.A2 U63B.A1 U63B.A2 U64A.1 U64A.3 U64A.4 U64A.5 U64A.6 U64A.7 U64A.8 U64A.9 U64A.10 U64A.11 U64A.14 U64A.15 U64A.17 U64A.18 U64A.19 U64A.20 U64A.21 U64A.22 U64A.24 U64A.25 U64A.26 U64A.27 U64A.29 U64A.30 U64A.31 U64A.32 U64A.33 U64B.1 U64B.3 U64B.4 U64B.5 U64B.6 U64B.7 U64B.8 U64B.9 U64B.10 U64B.11 U64B.14 U64B.15 U64B.17 U64B.18 U64B.19 U64B.20 U64B.21 U64B.22 U64B.24 U64B.25 U64B.26 U64B.27 U64B.29 U64B.30 U64B.31 U64B.32 U64B.33 U65.2 U66.2 U67.2 U68.2 U69.2 U70.2 Y1.3 Y3.7 | length 423.3